# Altium PCB MainBoard_Layout_V2.1.PcbDoc (part 1 of 3) (continued)
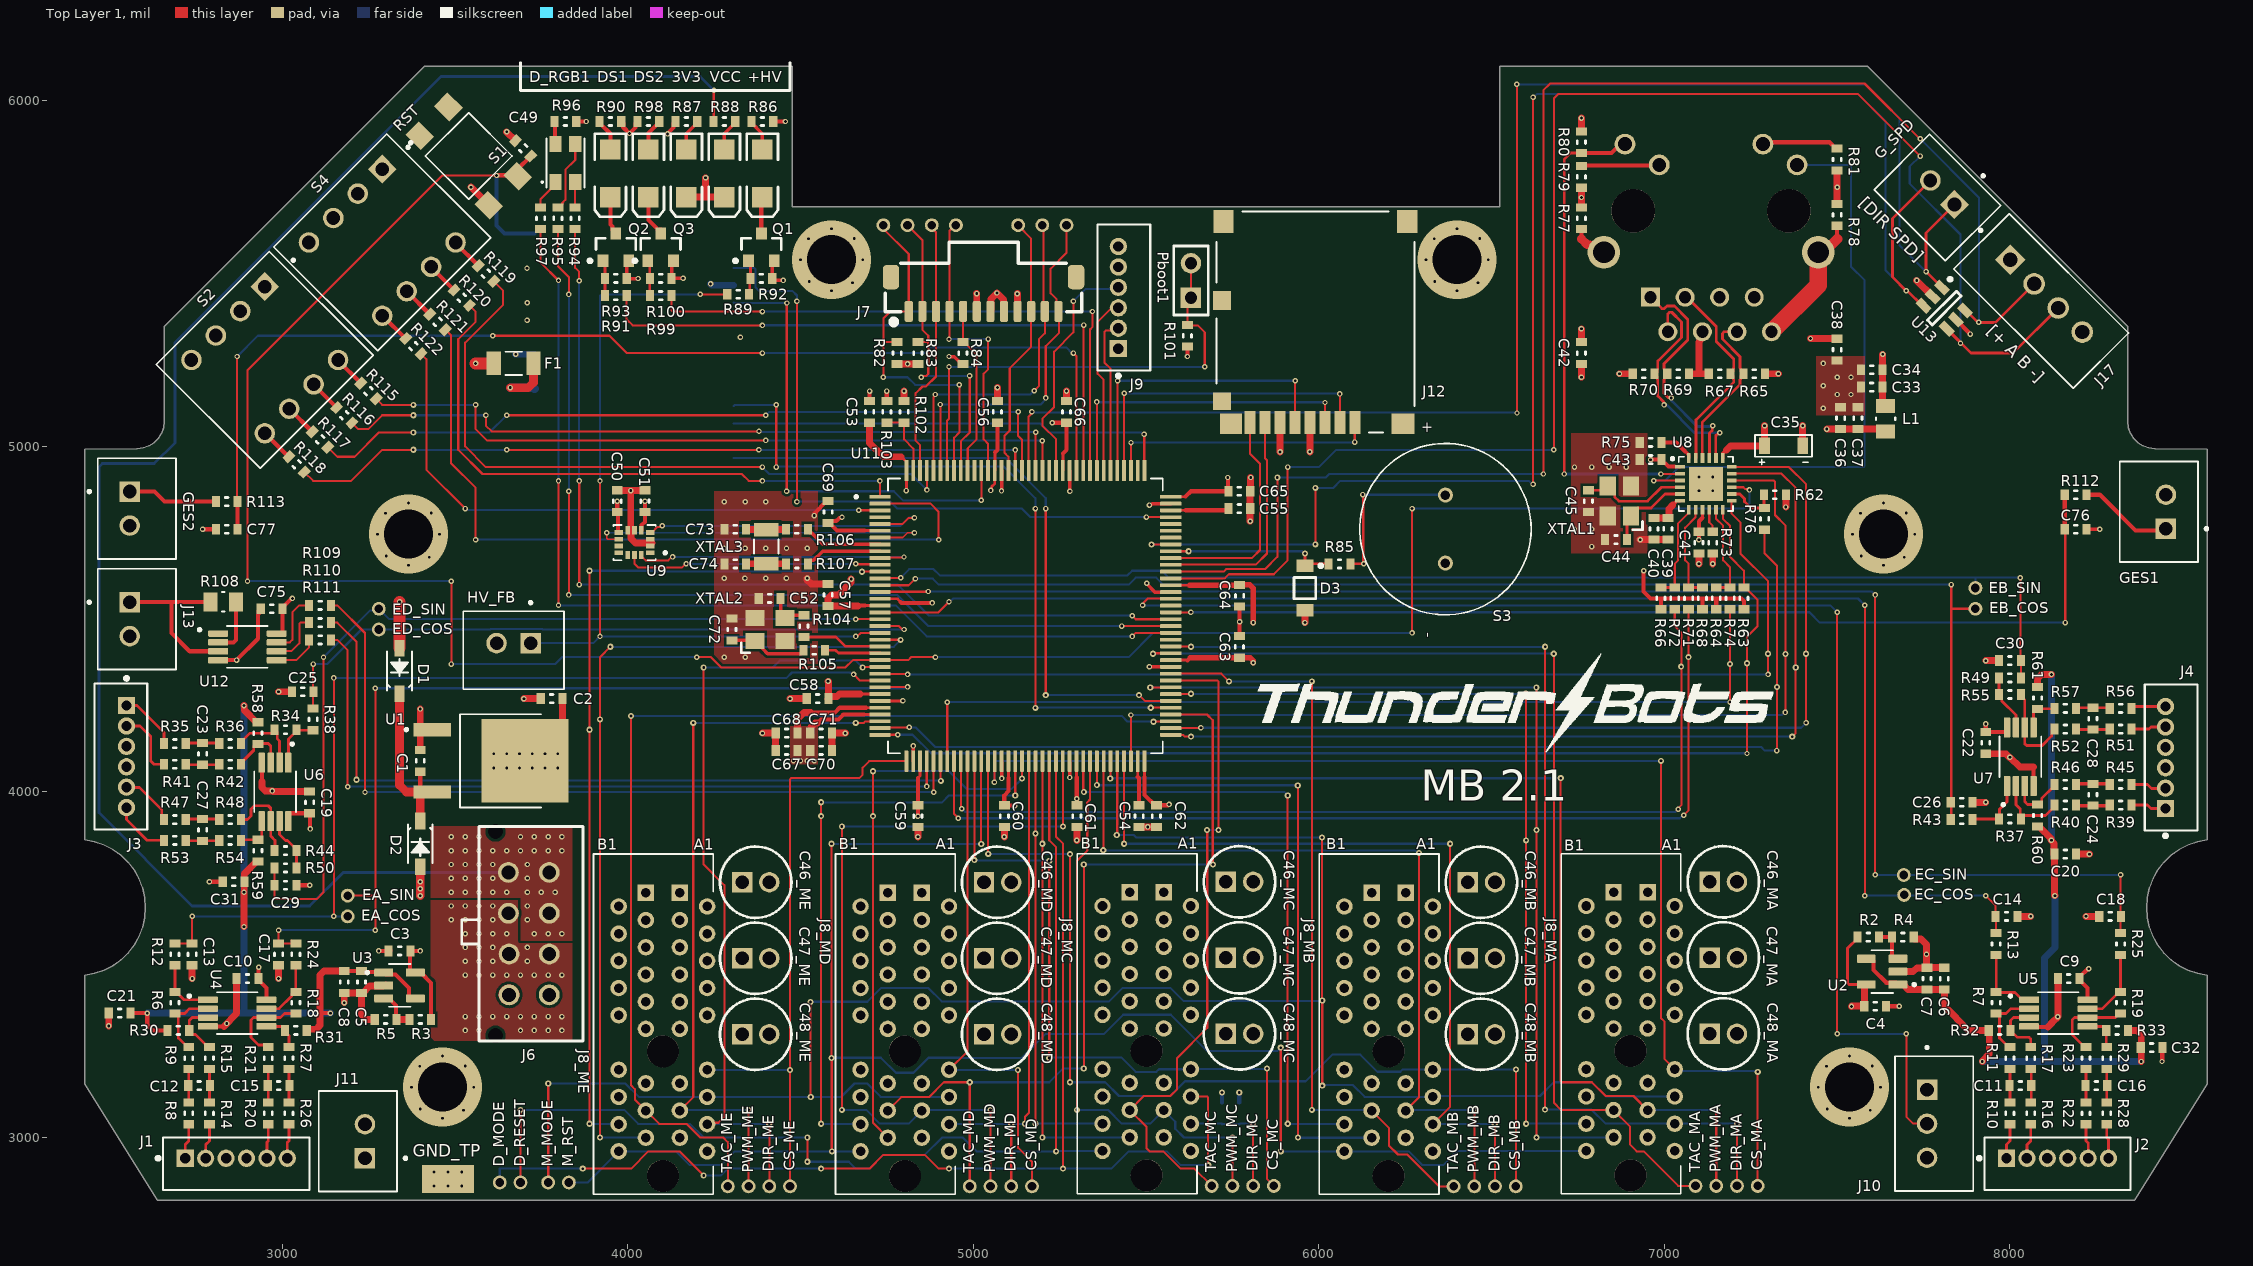
[diagram p0: Top Layer 1 view]
## Footprints (in the part's own frame and the unit in brackets; to place one, negate y for a bottom-side part, rotate by r counter-clockwise, add the part's x,y. Pads: shape width x height; smd on the part's side, far side on the other; paste and mask are expansions set on the pad) (continued)
  round 1.59 hole 1.06: 2(2.5,0) 3(5,0) 4(7.5,0)
  silkscreen extent -3.16,-3.4 9.95,2.35, body extent -2.45,-3.43 9.95,2.32, height 7
"LED 4pin 3.5 x 2.8" [mm] "LED 3 COLOR 3.5mm x 2.8mm"
  rect 1.2x0.9 smd: 1(1.4,-0.725) 2(-1.4,-0.725) 3(-1.4,0.725) 4(1.4,0.725)
  silkscreen extent -1.8,-1.7 1.8,1.4, body extent -1.75,-1.4 1.75,1.4, height 1.9
LGA-14 [mm]
  rect 0.61x0.35 smd: 1(-1.16,0.75) 2(-1.16,0.25) 3(-1.16,-0.25) 4(-1.16,-0.75) 8(1.16,-0.75) 9(1.16,-0.25) 10(1.16,0.25) 11(1.16,0.75)
  rect 0.35x0.61 smd: 5(-0.5,-0.91) 6(0,-0.91) 7(0.5,-0.91) 12(0.5,0.91) 13(0,0.91) 14(-0.5,0.91)
  silkscreen extent -2.35,-1.3 1.55,1.3
ONSC-SOD-123-2-425-04_V [mm] "SOD, 2-Leads, Body 2.69x1.6mm"
  rect 0.91x1.22 smd: 1(-1.635,0) 2(1.635,0)
  silkscreen extent -1.76,-0.8 0.78,1.29, body extent -1.35,-0.8 1.35,0.8, height 1.35
ONSC-SOT-23-3-318-08_V [mm] "SOT23, 3-Leads, Body 2.92x1.3mm, Pitch 0.95mm"
  rect 0.9x0.8 smd: 1(-1,0.95) 2(-1,-0.95) 3(1,0)
  silkscreen extent -1.12,-1.46 0.65,2.02, body extent -0.65,-1.46 0.65,1.46, height 1.11
QFP50P2200X2200X160-144N [mm] "STM32H743ZiT6"
  rrect25% 1.56x0.28 smd: 1(-10.68,8.75) 2(-10.68,8.25) 3(-10.68,7.75) 4(-10.68,7.25) 5(-10.68,6.75) 6(-10.68,6.25) 7(-10.68,5.75) 8(-10.68,5.25) 9(-10.68,4.75) 10(-10.68,4.25) 11(-10.68,3.75) 12(-10.68,3.25) 13(-10.68,2.75) 14(-10.68,2.25) 15(-10.68,1.75) 16(-10.68,1.25) 17(-10.68,0.75) 18(-10.68,0.25) 19(-10.68,-0.25) 20(-10.68,-0.75) 21(-10.68,-1.25) 22(-10.68,-1.75) 23(-10.68,-2.25) 24(-10.68,-2.75) 25(-10.68,-3.25) 26(-10.68,-3.75) 27(-10.68,-4.25) 28(-10.68,-4.75) 29(-10.68,-5.25) 30(-10.68,-5.75) 31(-10.68,-6.25) 32(-10.68,-6.75) 33(-10.68,-7.25) 34(-10.68,-7.75) 35(-10.68,-8.25) 36(-10.68,-8.75) 73(10.68,-8.75) 74(10.68,-8.25) 75(10.68,-7.75) 76(10.68,-7.25) 77(10.68,-6.75) 78(10.68,-6.25) 79(10.68,-5.75) 80(10.68,-5.25) 81(10.68,-4.75) 82(10.68,-4.25) 83(10.68,-3.75) 84(10.68,-3.25) 85(10.68,-2.75) 86(10.68,-2.25) 87(10.68,-1.75) 88(10.68,-1.25) 89(10.68,-0.75) 90(10.68,-0.25) 91(10.68,0.25) 92(10.68,0.75) 93(10.68,1.25) 94(10.68,1.75) 95(10.68,2.25) 96(10.68,2.75) 97(10.68,3.25) 98(10.68,3.75) 99(10.68,4.25) 100(10.68,4.75) 101(10.68,5.25) 102(10.68,5.75) 103(10.68,6.25) 104(10.68,6.75) 105(10.68,7.25) 106(10.68,7.75) 107(10.68,8.25) 108(10.68,8.75)
  rrect25% 0.28x1.56 smd: 37(-8.75,-10.68) 38(-8.25,-10.68) 39(-7.75,-10.68) 40(-7.25,-10.68) 41(-6.75,-10.68) 42(-6.25,-10.68) 43(-5.75,-10.68) 44(-5.25,-10.68) 45(-4.75,-10.68) 46(-4.25,-10.68) 47(-3.75,-10.68) 48(-3.25,-10.68) 49(-2.75,-10.68) 50(-2.25,-10.68) 51(-1.75,-10.68) 52(-1.25,-10.68) 53(-0.75,-10.68) 54(-0.25,-10.68) 55(0.25,-10.68) 56(0.75,-10.68) 57(1.25,-10.68) 58(1.75,-10.68) 59(2.25,-10.68) 60(2.75,-10.68) 61(3.25,-10.68) 62(3.75,-10.68) 63(4.25,-10.68) 64(4.75,-10.68) 65(5.25,-10.68) 66(5.75,-10.68) 67(6.25,-10.68) 68(6.75,-10.68) 69(7.25,-10.68) 70(7.75,-10.68) 71(8.25,-10.68) 72(8.75,-10.68) 109(8.75,10.68) 110(8.25,10.68) 111(7.75,10.68) 112(7.25,10.68) 113(6.75,10.68) 114(6.25,10.68) 115(5.75,10.68) 116(5.25,10.68) 117(4.75,10.68) 118(4.25,10.68) 119(3.75,10.68) 120(3.25,10.68) 121(2.75,10.68) 122(2.25,10.68) 123(1.75,10.68) 124(1.25,10.68) 125(0.75,10.68) 126(0.25,10.68) 127(-0.25,10.68) 128(-0.75,10.68) 129(-1.25,10.68) 130(-1.75,10.68) 131(-2.25,10.68) 132(-2.75,10.68) 133(-3.25,10.68) 134(-3.75,10.68) 135(-4.25,10.68) 136(-4.75,10.68) 137(-5.25,10.68) 138(-5.75,10.68) 139(-6.25,10.68) 140(-6.75,10.68) 141(-7.25,10.68) 142(-7.75,10.68) 143(-8.25,10.68) 144(-8.75,10.68)
  silkscreen extent -12.54,-10.1 10.1,10.1, body extent -11,-11 11,11, height 1.73
"RJ45 J00-0045NL" [mm]
  rect 1.398x1.398 hole 0.89: 1(4.445,-6.35)
  round 1.398 hole 0.89: 2(3.175,-8.89) 3(1.905,-6.35) 4(0.635,-8.89) 5(-0.635,-6.35) 6(-1.905,-8.89) 7(-3.175,-6.35) 8(-4.445,-8.89)
  round 1.53 hole 1.02: 9(6.325,4.9) 10(3.81,3.38) 11(-3.81,4.9) 12(-6.325,3.38)
  round 3.2 hole 3.2 unplated: None(-5.715,0) None(5.715,0)
  round 2.4 hole 1.6: S1(-7.875,-3.05) S2(7.875,-3.05)
  silkscreen extent -8.13,-10.8 8.13,10.8, body extent -8.12,-10.79 8.12,10.8, height 13.64
"SD Connector 5027740891" [mil]
  rect 32x66 smd paste+0 mask+0: 1(114.13,-290.83) 2(70.83,-290.83) 3(27.52,-290.83) 4(-15.79,-290.83) 5(-59.09,-290.83) 6(-102.4,-290.83) 7(-145.71,-290.83) 8(-189.02,-290.83)
  rect 59x67 smd: 9(-265.77,290.33) 10(265.77,290.33)
  rect 51x55 smd paste+0 mask+0: 11(-270.04,62.09)
  rect 51x51 smd: 12(-270.04,-229.25)
  rect 63x59 smd: 13(-244.14,-294.33)
  rect 67x59 smd: 14(253.92,-294.33)
  silkscreen extent -286,-320 286,320, body extent -280,-312 283,318, height 10
SOD-123 [mil]
  rect 48x30 smd: A(66,0) C(-66,0)
  silkscreen extent -56,-36 56,36
SOT23-6L [mm]
  rect 1.1x0.6 smd: 1(-1.2,0.95) 2(-1.2,0) 3(-1.2,-0.95) 4(1.2,-0.95) 5(1.2,0) 6(1.2,0.95)
  silkscreen extent -1.32,-1.5 0.25,1.92, body extent -0.86,-1.51 0.87,1.52, height 1.25
SOT95P280X145-5N [mm]
  rrect25% 1.39x0.6 smd: 1(-1.165,0.95) 2(-1.165,0) 3(-1.165,-0.95) 4(1.165,-0.95) 5(1.165,0.95)
  silkscreen extent -2.46,-1.57 0.8,1.57, body extent -1.5,-1.5 1.5,1.5, height 1.45
STLINK-V3MODS [mil] "STLINK V3 COMPACT IN-CIRCUIT DEB"
  rect 74.8x42.13 smd: 1(1921.81,-4560) 2(1921.81,-4610) 3(1921.81,-4660) 4(1921.81,-4710) 5(1921.81,-4760) 6(1921.81,-4810) 7(1921.81,-4860) 8(1921.81,-4910) 9(1921.81,-4960) 10(1921.81,-5010) 11(1921.81,-5060) 12(1921.81,-5110) 13(1921.81,-5160) 14(1921.81,-5210) 15(1921.81,-5260) 16(1921.81,-5310) 17(2498.19,-5310) 18(2498.19,-5260) 19(2498.19,-5210) 20(2498.19,-5160) 21(2498.19,-5110) 22(2498.19,-5060) 23(2498.19,-5010) 24(2498.19,-4960) 25(2498.19,-4910) 26(2498.19,-4860) 27(2498.19,-4810) 28(2498.19,-4760) 29(2498.19,-4710) 30(2498.19,-4660) 31(2498.19,-4610) 32(2498.19,-4560)
  silkscreen extent 1910,-5350 2510,-4127
SW_DS02-254-1L-04BE [mm]
  rect 1.508x1.508 hole 1: 1A(-3.81,-3.81)
  round 1.508 hole 1: 1B(-3.81,3.81) 2A(-1.27,-3.81) 2B(-1.27,3.81) 3A(1.27,-3.81) 3B(1.27,3.81) 4A(3.81,-3.81) 4B(3.81,3.81)
  silkscreen extent -6.77,-5.4 5.87,5.4, body extent -5.87,-7.71 5.86,5.17, height 9.46
TL3305 [mm] "TL3305 SPST-NO"
  rect 1.4x1.6 smd: 1(-1.5,3.6) 2(-1.5,-3.6) 3(1.5,3.6) 4(1.5,-3.6)
  silkscreen extent -2.8,-2.25 2.25,3.7
TP [mil] "Test point (40mil Standard)"
  round 40 hole 25: 1(0,0)
TP380X203 [mm]
  rect 3.8x2.03 smd: 1(0,0)

## Part data
3V3 +HV DS1 VCC: library part "LED GREEN SMD", "Typical RED, GREEN, YELLOW, AMBER GaAs LED", Color=Green, Current - Test=20mA, Package=1206, Voltage - Forward (Vf) (Typ)=2V, Lens Transparency=Clear
C1 C2 C54 C55: library part "CAP 10uF 10V", "CAP CER 10UF 10V X5R 0805", Package=0805, Rating=10V, Tolerance=10%
C3 C4 C7 C8 C9 C10 C13 C14 C17 C18 C19 C22 C25 C26 C29 C30: library part "CAP 0.010uF 50V", "CAP CER 0.010UF 50V X7R 0603/0805", Operating Temperature="-55°C ~ 125°C", Package=0603/0805, Rating=50V, Temperature Coefficient=X7R, Tolerance=10%
C5 C6 C20 C21 C31 C32 C33 C40 C67 C70: library part "CAP 1uF 50V", "CAP CER 1UF 50V X7R 0805", Operating Temperature="-55°C ~ 125°C", Package=0805, Rating=50V, Temperature Coefficient=X7R, Tolerance=10%
C11 C12 C15 C16 C23 C24 C27 C28 C34 C36 C37 C38 C41 C42 C43 C49 C50 C51 C56 C57 C58 C59 C60 C61 C62 C63 C64 C65 C66 C68 C69 C71: library part "CAP 100nF 50V", "CAP CER 0.1UF 50V X7R 0805", Package=0805, Rating=50V, Tolerance=10%
C35: library part "CAP TANT 10uF 10V", "CAP TANT 10UF 10V 1206", ESR (Equivalent Series Resistance)="3.8 Ohm", Operating Temperature="-55°C ~ 125°C", Package=1206, Rating=10V, Tolerance=10%, Type="Molded Tantalum"
C39: library part "CAP 470pF 50V", "CAP CER 470PF 50V X7R 0603/0805", Operating Temperature="-55°C ~ 125°C", Package=0603/0805, Rating=50V, Temperature Coefficient=X7R, Tolerance=10%
C44 C45: library part "CAP 30pF 25V", "CAP CER 30PF 25V NP0 0805", Package=0805, Rating=25V, Tolerance=20%
C46_MA C46_MB C46_MC C46_MD C46_ME C47_MA C47_MB C47_MC C47_MD C47_ME C48_MA C48_MB C48_MC C48_MD C48_ME: "0.1µF 100V Aluminum Electrolytic Capacitors, Through-Hole, Radial, Can 2000 Hrs @ 85°C", Manufacturer_Name=Nichicon, Manufacturer_Part_Number=UKL2A0R1KDD, Mouser Part Number=647-UKL2A0R1KDD, Rating=100V, Supplier Part Number 1=493-16876-ND, Datasheet Link=http://www.mouser.com/ds/2/293/e-ukl-876305.pdf, Height=12.5mm, Mouser Price/Stock=https://www.mouser.com/Search/Refine.aspx?Keyword=647-UKL2A0R1KDD, Supplier 1=Digi-Key
C52 C72 C73 C74: library part "CAP 5.6pF 50V", "CAP CER 5.6PF 50V C0G/NP0 0805", Operating Temperature="-55°C ~ 125°C", Package=0805, Rating=50V, Temperature Coefficient=C0G/NP0, Tolerance=5%
C53: library part "CAP 4.7uF 35V", "CAP CER 4.7UF 35V X7R 0603/0805", Operating Temperature="-55°C ~ 125°C", Package=0603/0805, Rating=35V, Temperature Coefficient=X7R, Tolerance=10%
C75 C76 C77: library part "CAP 0.10uF 16V", "CAP CER 0.10UF 16V X5R 0603/0805", Operating Temperature="-55°C ~ 85°C", Package=0603/0805, Rating=16V, Temperature Coefficient=X5R, Tolerance=10%
D1 D2: library part "DIODE SCHOTTKY 20V 1A", "Diode Schottky 20V 1A Surface Mount SOD-123FL", Current Rating=1A, Package=SOD-123, Voltage Rating=20V, ComponentLink1Description=digikey, ComponentLink1URL=https://www.digikey.ca/product-detail/en/on-semiconductor/MBR0540T1G/MBR0540T1GOSCT-ND/917967, Digikey=SM5817PL-TPMSCT-ND, Digikey Link=https://www.digikey.ca/product-detail/en/micro-commercial-co/SM5817PL-TP/SM5817PL-TPMSCT-ND/1793410, MF="Micro Commercial Co", MP=SM5817PL-TP
D3: library part "DIODE ZENER 3.3 500mW", "Zener 3V3 Voltage Regulator, 500 mW, 2-Pin SOD-123, Pb-Free, Tape and Reel", Manufacturer="On Semiconductor", PartNumber=MMSZ4684T1G, Supplier Part Number 1=MMSZ4684T1GOSCT-ND, ComponentLink1Description="Manufacturer URL", ComponentLink1URL=http://www.onsemi.com/, ComponentLink2Description=Datasheet, ComponentLink2URL=http://www.onsemi.com/pub_link/Collateral/MMSZ4678T1-D.PDF, ComponentLink3Description="Package Specification", ComponentLink3URL=http://www.onsemi.com/pub_link/Collateral/425-04.PDF, DatasheetVersion="Rev. 9", Mounting Technology="Surface Mount", P Max (W)=0.5, PackageDescription="2-Pin SOD, Body 1.6 x 2.69 mm", PackageReference=SOD-123-2-425-04, PackageVersion="Rev. G, 10/2009", Packing="Tape and Reel", RoHS=Pb-Free, Supplier 1=Digi-Key, VZ Typ (V)=3.3
D_RGB1: "LED RGB No Lead  / AAA3528"
DS2: library part "LED RED SMD", "Typical RED, GREEN, YELLOW, AMBER GaAs LED", Color=Red, Current - Test=20mA, Lens Color=Colorless, Package=1206, Voltage - Forward (Vf) (Typ)=1.7V, Lens Transparency=Clear
F1: library part "FUSE 3A 63V SLOW", "FUSE 3A 63V AC/DC SLOW 1206", Current Rating (Amps)=3A, Operating Temperature="-55°C ~ 90°C", Voltage Rating - AC=63V, Response Time="Slow Blow", Voltage Rating - DC=63V
G_SPD GES1 GES2 HV_FB J11 J13: "Connector Header Through Hole 2 position 0.098 _2.50mm_ / JST XH", Package=None, Availability=Unavailable, MF="JST Sales", MP=B2B-XH-A_LF__SN_, Price=None, SnapEDA_Link=https://www.snapeda.com/parts/B2B-XH-A%28LF%29%28SN%29/JST%20Sales%20America%20Inc./view-part/492310/?ref=snap
GND_TP: "PC Test Point, Miniature Phosphor Bronze, Silver Plating Surface Mount Mounting Type", Package="2010 Keystone", Digi-Key_Part_Number=36-5019CT-ND, Digi-Key_Purchase_URL=https://www.digikey.com/product-detail/en/keystone-electronics/5019/36-5019CT-ND/3907344?utm_source=snapeda&utm_medium=aggregator&utm_campaign=symbol, MF="Keystone Electronics", MP=5019
J1 J2 J3 J4 J9: library part "CN 6POS JST RA", "Conn Shrouded Header HDR 6 POS 1.5mm Solder RA Thru-Hole Box", Color=White, Contact Resistance=30mR, Current Rating=1A, Flammability Rating="UL94 V-0", Housing Color=Beige, Insulation Color=Natural, Insulation Resistance=500MR, Manufacturer=JST, Manufacturer Part Number=S6B-ZR(LF)(SN), Max Operating Temperature=85°C, Max Voltage Rating (AC)=50V, Min Operating Temperature=-25°C, Supplier Part Number 1=455-1673-ND, Body Plating=Tin, Category="Headers and Wire Housings", ComponentLink1Description=https://datasheet.ciiva.com/8052/80556-8052225.pdf?src-supplier=Element14, ComponentLink1URL=https://datasheet.ciiva.com/8052/80556-8052225.pdf?src-supplier=Element14, ComponentLink2Description=https://datasheet.ciiva.com/25617/0900766b81147f94-25617345.pdf?src-supplier=RSComponents, ComponentLink2URL=https://datasheet.ciiva.com/25617/0900766b81147f94-25617345.pdf?src-supplier=RSComponents, ComponentLink3Description=https://datasheet.ciiva.com/11752/0900766b8082f593-11752194.pdf?src-supplier=RSComponents, ComponentLink3URL=https://datasheet.ciiva.com/11752/0900766b8082f593-11752194.pdf?src-supplier=RSComponents, ComponentLink4Description=https://datasheet.ciiva.com/26894/getdatasheetpartid-642095-26894637.pdf?src-supplier=Verical, ComponentLink4URL=https://datasheet.ciiva.com/26894/getdatasheetpartid-642095-26894637.pdf?src-supplier=Verical, ComponentLink5Description=https://datasheet.ciiva.com/712/ezh-712560.pdf?src-supplier=Digi-Key, ComponentLink5URL=https://datasheet.ciiva.com/712/ezh-712560.pdf?src-supplier=Digi-Key, ComponentLink6Description=https://datasheet.ciiva.com/16484/s6b-zrlfsn-16484554.pdf?src-supplier=Future+Electronics, ComponentLink6URL=https://datasheet.ciiva.com/16484/s6b-zrlfsn-16484554.pdf?src-supplier=Future+Electronics, Connector Type="Header,Male Pin", Contact Material=Brass,Tin,Copper, Contact Mating Length=0.094inch, Contact Plating=Tin,Copper, Contact Shape=Circular, Depth=6mm, Fastening Type=Detent, Gender=Male, Height=7.2mm, Housing Material=Polyamide, Insulation Material=Nylon, Lead Free="Lead Free", Lead Pitch=1.5mm, Length=10.5mm, Material=Nylon, Max Current Rating=1A, Mount="Through Hole", Number of Contacts=6, Number of Pins=6, Number of Positions=6, Number of Rows=1, Orientation="Right Angle", Packaging=Bulk, Panel Thickness=3.5mm, Pitch=1.5mm, REACH SVHC="No SVHC", RoHS=Yes, Stock 1=14808, Supplier 1=Digi-Key, Termination=Solder, Voltage Rating=50V, Voltage Rating (AC)=50V, Voltage Rating (DC)=50V, Width=3.5mm
J5: library part "CN MAGJACK", "CN MAGJACK 1PORT 100 BASE-TX", Package=None, Supplier Part Number 1=673-J00-0045NL, Digikey=553-1619-5-ND, Digikey Link=https://www.digikey.com/product-detail/en/pulse-electronics-network/J00-0045NL/553-1619-5-ND/1036860?utm_source=snapeda&utm_medium=aggregator&utm_campaign=symbol, MF="Pulse Electronics", MP=J00-0045NL, SnapEDA_Link=https://www.snapeda.com/parts/J00-0045NL/Pulse%20Electronics%20Network/view-part/87956/?ref=snap, Supplier 1=Mouser
J6: "Molex 43045-0812 8POS Microfit / DR TH Vertical"
J7: library part "CN Pico Clasp 12POS", "12 POS Right Angle Pico Clasp Surface Mount"
J8_MA J8_MB J8_MC J8_MD J8_ME: "36 Position Female Connector PCI Expressâ„¢ Gold 0.039 _1.00mm_ Black 10018784-10210TLF", Package=None, Availability=Unavailable, MF="Amphenol ICC", MP=10018784-10210TLF, Price=None, SnapEDA_Link=https://www.snapeda.com/parts/10018784-10210TLF/Amphenol%20FCI/view-part/520950/?ref=snap
J10: library part "CN 3POS TH JSTXH", "CN 3POS TH JST XH", Package=None, Availability=Warning, DigiKey-Purchase-URL=https://snapeda.com/shop?store=DigiKey&id=231271, MF="JST Sales", MP=B3B-XH-A(LF)(SN), Price=None, SnapEDA_Link=https://www.snapeda.com/parts/B3B-XH-A(LF)(SN)/JST%20Sales%20America%20Inc./view-part/231271/?ref=snap
J12: "10 (8 + 2) Position Card Connector Secure Digital - microSD™ Surface Mount, Right Angle Gold", ComponentLink1Description=Digikey, ComponentLink1URL=https://www.digikey.ca/en/products/detail/molex/5027740891/1952536, ComponentLink2Description=Datasheet, ComponentLink2URL=https://www.molex.com/pdm_docs/sd/5027740891_sd.pdf, Digikey=WM24066CT-ND, MF=Molex, MP=5027740891
J17: "Connector Header Through Hole 4 position 0.098 _2.50mm_ / B4B-XH-A(LF)(SN)", Package=None, Availability=Unavailable, MF="JST Sales", MP=B4B-XH-A_LF__SN_, Price=None, SnapEDA_Link=https://www.snapeda.com/parts/B4B-XH-A%28LF%29%28SN%29/JST%20Sales%20America%20Inc./view-part/447494/?ref=snap
L1: "100µH Unshielded Wirewound Inductor 50mA 4Ohm 0805 (2012 Metric)", Supplier Part Number 1=587-4040-1-ND, Digikey=587-2048-1-ND, Digikey Link=https://www.digikey.ca/product-detail/en/taiyo-yuden/LBR2012T101K/587-2048-1-ND/1788995, MF="Taiyo Yuden", MP=LBR2012T101K, Revision="July-2002: Re-released for DXP Platform.", Supplier 1=Digi-Key
Pboot1: "Header, 2-Pin", LatestRevisionDate=17-Jul-2002, LatestRevisionNote="Re-released for DXP Platform.", Publisher="Altium Limited"
Q1 Q2 Q3: library part CMP-1048-00605-1, "Driver Transistor, NPN Silicon, 3-Pin SOT-23, Tape and Reel", Manufacturer="On Semiconductor", ComponentLink1Description="Manufacturer URL", ComponentLink1URL=http://www.onsemi.com/, ComponentLink2Description=Datasheet, ComponentLink2URL=http://www.onsemi.com/pub_link/Collateral/BSS64LT1-D.PDF, ComponentLink3Description="Package Specification", ComponentLink3URL=http://www.onsemi.cn/pub_link/Collateral/318-08.PDF, DatasheetVersion="Rev. 5", fT Min (MHz)=60, IC Continuous (A)=0.1, Mounting Technology="Surface Mount", PackageDescription="3-Pin Small Outline Transistor, Body 2.92 x 1.3 mm, Pitch 0.95 mm", PackageReference=SOT-23-3-318-08, PackageVersion="Rev. AP, 11/2009", Packing="Tape and Reel", PartNumber=BSS64LT1, Polarity=NPN, RoHS=FALSE
R1 R77 R78 R104 R105 R106 R107 R109 R110 R111 R112 R113 R114: library part "RES 0 JUMPER", "RES SMD 0 OHM JUMPER GENERIC 0805", Package=0805
R2 R3 R4 R5 R9 R11 R15 R17 R21 R23 R27 R29 R36 R40 R42 R46 R48 R52 R54 R57 R92 R93 R100: library part "RES 100k 1/8W - 1%", "RES SMD 100K OHM 1% 1/8W 0805", Package=0805, Power (Watts)=0.125W, Tolerance=1%
R6 R7 R18 R19 R30 R31 R32 R33 R34 R37 R44 R49 R58 R59 R60 R61: library part "RES 64.9k 1/8W", "RES SMD 64.9K OHM 1% 1/8W 0805", Package=0805, Power (Watts)=0.125W, Tolerance=1%, ComponentLink1Description=digikey, ComponentLink1URL=https://www.digikey.ca/en/products/detail/yageo/RC0805FR-0764K9L/728090
R8 R10 R12 R13 R14 R16 R20 R22 R24 R25 R26 R28 R35 R38 R39 R41 R43 R45 R47 R50 R51 R53 R55 R56 R97: library part "RES 330.0 1/8W - 1%", "RES SMD 330 OHM 1% 1/8W 0805", Package=0805, Rating=0.125W, Tolerance=1%
R62 R64 R66 R68 R73 R80 R101 R102 R103 R115 R116 R117 R118 R119 R120 R121 R122: library part "RES 10k 1/8W - 1%", "RES SMD 10K OHM 1% 1/8W 0805", Package=0805, Power (Watts)=0.125W, Tolerance=1%
R63: library part "RES 1.5k 1/8W - 1%", "RES SMD 1.5K OHM 1% 1/8W 0805", Package=0805, Power (Watts)=0.125W, Tolerance=1%, ComponentLink1Description=digikey, ComponentLink1URL=https://www.digikey.ca/en/products/detail/panasonic-electronic-components/ERJ-6ENF1022V/111476
R65 R67 R69 R70: library part "RES 49.9 1/8W", "RES SMD 49.9 OHM 1% 1/8W 0805", Package=0805, Power (Watts)=0.125W, Tolerance=1%
R71 R72 R74 R76: library part "RES 33.0 1/8W - 1%", "RES SMD 33 OHM 1% 1/8W 0805", Package=0805, Power (Watts)=0.125W, Tolerance=1%
R75: library part "RES 12.1k 1/8W", "RES SMD 12.1K OHM 1% 1/8W 0805", Package=0805, Power (Watts)=0.125W, Tolerance=1%
R79 R81 R86 R90 R94 R95 R98: library part "RES 270.0 1/8W", "RES SMD 270 OHM 5% 1/8W 0805", Package=0805, Power (Watts)=0.125W, Tolerance=5%
R82 R83 R84: library part "RES 3.3k 1/8W", "RES SMD 3.3K OHM 5% 1/8W 0805", Package=0805, Power (Watts)=0.125W, Tolerance=5%
R85: library part "RES 2k 1/8W", "RES SMD 2K OHM 5% 1/8W 0805", Package=0805, Power (Watts)=0.125W, Tolerance=5%
R87: library part "RES 182.0 1/8W", "RES SMD 182 OHM 1% 1/8W 0805", Package=0805, Power (Watts)=0.125W, Tolerance=1%
R88: library part "RES 4.7k 1/8W - 5%", "RES SMD 4.7k OHM 5% 1/8W 0805", Package=0805, Power (Watts)=0.125W, Tolerance=5%
R89 R99: library part "RES 47k 1/8W - 1%", "RES SMD 47K OHM 1% 1/8W 0805", Package=0805, Power (Watts)=0.125W, Tolerance=1%
R91: library part "RES 47.0 1/8W - 1%", "RES SMD 47 OHM 1% 1/8W 0805", Package=0805, Power (Watts)=0.125W, Tolerance=1%
R96: library part "RES 1k 1/8W", "RES SMD 1K OHM 5% 1/8W 0805", Package=0805, Power (Watts)=0.125W, Tolerance=5%
R108: library part "RES 7.68k 0.15W", "RES SMD 7.68K OHM 0.1% 0.15W 0805", Package=0805, Power (Watts)=0.125W, Tolerance=5%
S1: "Tactile Switch SPST-NO Top Actuated Surface Mount 12V 50mA", Actuator Height=5mm, Circuit=SPST-NO, ComponentLink1Description=Digikey, ComponentLink1URL=https://www.digikey.ca/en/products/detail/e-switch/TL3305BF260QG/5816185, ComponentLink2Description=Datasheet, ComponentLink2URL=https://sten-eswitch-13110800-production.s3.amazonaws.com/system/asset/product_line/data_sheet/213/TL3305.pdf, Digikey=EG5354DKR-ND, MF=E-Switch, Mounting Type=SMD, MP=TL3305BF260QG, Switch Function=Off-Mom
S2 S4: "Dip Switch Piano Key 4-position", Package=None, Availability=Unavailable, MP=DS02-254-1L-04BE, Price=None
S3: library part "BUZZER PKM13EPYH4000-A0", "Buzzers Transducer, Externally Driven Piezo 1.5V 4kHz 70dB @ 1.5V, 10cm Through Hole PC Pins", Package="Radial-2 Murata", Arrow_Electronics-Purchase-URL=https://snapeda.com/shop?store=Arrow+Electronics&id=4970420, Digikey Part=490-4698-1-ND, MF=Murata, MP=PKM13EPYH4000-A0, SnapEDA_Link=https://www.snapeda.com/parts/PKM13EPYH4000-A0/Murata/view-part/4970420/?ref=snap
U1: "Linear Voltage Regulator IC Positive Fixed 1 Output  1A TO-252-3", Package=TO-252-3, Supplier Part Number 1=ZLDO1117K33DICT-ND, Digikey=ZLDO1117K33DIDKR-ND, Digikey Link=https://www.digikey.ca/product-detail/en/diodes-incorporated/ZLDO1117K33TC/ZLDO1117K33DIDKR-ND/2095639, MF="Diodes Incorporated", MP=ZLDO1117K33TC, Supplier 1=Digi-Key
U2 U3: "ANALOG DEVICES - ADA4505-1ARJZ-R7 - IC, AMPLIF. OPER., R-R, CMOS, SOT23-5", Case/Package=SOT-23-5, Input Bias Current=500nA, Input Capacitance=4.7pF, Input Offset Voltage (Vos)=3mV, Manufacturer="Analog Devices", Manufacturer Part Number=ADA4505-1ARJZ-R7, Max Dual Supply Voltage=2.5V, Max Operating Temperature=125°C, Max Supply Voltage=5V, Min Dual Supply Voltage=900mV, Min Operating Temperature=-40°C, Min Supply Voltage=1.8V, Operating Supply Current=9uA, Operating Supply Voltage=3V, Output Current per Channel=40mA, Package Quantity=3000, Power Supply Rejection Ratio (PSRR)=110dB, Voltage Gain=120dB, Bandwidth=50kHz, Category="Amplifiers - Op Amps, Buffer, Instrumentation", Common Mode Rejection Ratio=105dB, ComponentLink1Description=https://datasheet.ciiva.com/22712/1610797-22712032.pdf?src-supplier=Element14, ComponentLink1URL=https://datasheet.ciiva.com/22712/1610797-22712032.pdf?src-supplier=Element14, ComponentLink2Description=https://datasheet.ciiva.com/23805/608874-23805844.pdf?src-supplier=Newark, ComponentLink2URL=https://datasheet.ciiva.com/23805/608874-23805844.pdf?src-supplier=Newark, ComponentLink3Description=https://datasheet.ciiva.com/1487/1610797-1487372.pdf?src-supplier=Element14, ComponentLink3URL=https://datasheet.ciiva.com/1487/1610797-1487372.pdf?src-supplier=Element14, Contact Plating=Tin,Matte, Digikey=ADA4505-1ARJZ-R7CT-ND, Gain Bandwidth Product=50kHz, Lead Free="Contains Lead", Number of Amplifiers=1, Number Of Channels=1, Number of Circuits=1, Number of Elements=1, Number of Pins=5, Packaging="Tape and Reel", Quiescent Current=9uA, REACH SVHC="No SVHC", RoHS=Yes, Slew Rate=0.006V/µs, Stock 1=3416, Supplier 1=Digi-Key, Unity Gain Bandwidth Product=50kHz
U4 U5 U6 U7: "IC OPAMP VFB 50KHZ RRO 8MSOP", Case/Package=MSOP, Input Bias Current=0.5pA, Input Capacitance=4.7pF, Input Offset Voltage (Vos)=3mV, Manufacturer="Analog Devices", Manufacturer Part Number=ADA4505-2ARMZ, Max Dual Supply Voltage=2.5V, Max Input Voltage=5V, Max Operating Temperature=125°C, Min Dual Supply Voltage=900mV, Min Operating Temperature=-40°C, Min Supply Voltage=1.8V, Nominal Supply Current=7uA, Operating Supply Current=14uA, Operating Supply Voltage=3V, Output Current per Channel=40mA, Package Quantity=50, Power Supply Rejection Ratio (PSRR)=110dB, Voltage Gain=120dB, Bandwidth=50kHz, Category="Amplifiers - Op Amps, Buffer, Instrumentation", Common Mode Rejection Ratio=105dB, ComponentLink1Description=https://datasheet.ciiva.com/24017/ada4505-1-4505-2-4505-4-249280-24017665.pdf?src-supplier=Mouser, ComponentLink1URL=https://datasheet.ciiva.com/24017/ada4505-1-4505-2-4505-4-249280-24017665.pdf?src-supplier=Mouser, ComponentLink2Description=https://datasheet.ciiva.com/2974/ada4505-1-4505-2-4505-4-2974772.pdf?src-supplier=Avnet, ComponentLink2URL=https://datasheet.ciiva.com/2974/ada4505-1-4505-2-4505-4-2974772.pdf?src-supplier=Avnet, ComponentLink3Description=https://datasheet.ciiva.com/17569/ada4505-1-4505-2-4505-4-17569270.pdf?src-supplier=Avnet+Europe, ComponentLink3URL=https://datasheet.ciiva.com/17569/ada4505-1-4505-2-4505-4-17569270.pdf?src-supplier=Avnet+Europe, ComponentLink4Description=https://datasheet.ciiva.com/1805/ada4505-1-4505-2-4505-4-1805784.pdf?src-supplier=Digi-Key, ComponentLink4URL=https://datasheet.ciiva.com/1805/ada4505-1-4505-2-4505-4-1805784.pdf?src-supplier=Digi-Key, Contact Plating=Tin,Matte, Digikey=ADA4505-2ARMZ-ND, Gain Bandwidth Product=50kHz, Height=0.95mm, Lead Free="Contains Lead", Length=3.2mm, Max Supply Voltage=5V, Number of Amplifiers=2, Number Of Channels=2, Number of Circuits=2, Number of Elements=2, Number of Pins=8, Packaging=Rail/Tube, Quiescent Current=7uA, REACH SVHC="No SVHC", RoHS=Yes, Slew Rate=0.006V/µs, Stock 1=767, Supply Type=Single,Dual, Unity Gain Bandwidth Product=50kHz, Width=3.2mm
U8: "LAN8742A-CZ-TR - Small Footprint RMII 10/100 Ethernet, Transceiver with HP Auto-MDIX and flexPWR Technology SQFN-24", Supplier Part Number 1=LAN8742A-CZ-CT-ND, Digikey=LAN8742A-CZ-CT-ND, Digikey Link=https://www.digikey.ca/product-detail/en/microchip-technology/LAN8742A-CZ-TR/LAN8742A-CZ-CT-ND/8256089, MF="Microchip Technology", MP=LAN8742A-CZ-TR, Supplier 1=Digi-Key
U9: library part "IMU LSM6DSLTR", "IMU ACCEL/GYRO I2C/SPI 14LGA", Package="LGA-14 STMicroelectronics", Supplier Part Number 1=497-16705-1-ND, Digikey=https://www.digikey.ca/product-detail/en/stmicroelectronics/LSM6DSLTR/497-16705-1-ND/6192805, MF=STMicroelectronics, MP=LSM6DSLTR, SnapEDA_Link=https://www.snapeda.com/parts/LSM6DSLTR/STMicroelectronics/view-part/550517/?ref=snap, Supplier 1=Digi-Key
U10: "STM32 - Debugger, Programmer (In-Circuit/In-System)", ComponentLink1Description=Digikey, ComponentLink1URL=https://www.digikey.ca/en/products/detail/stmicroelectronics/stlink-v3mods/11610874, ComponentLink2Description=SnapEDA, ComponentLink2URL=https://www.snapeda.com/parts/STLINK-V3MODS/STMicroelectronics/view-part/, ComponentLink3Description=Datasheet, ComponentLink3URL=https://www.st.com/resource/en/data_brief/stlink-v3mods.pdf, Digikey=497-STLINK-V3MODS-ND, MF=STMicroelectronics, MP=STLINK-V3MODS, Price=$12.15